# KiCad board hypjolin-rounded.kicad_pcb (continued)
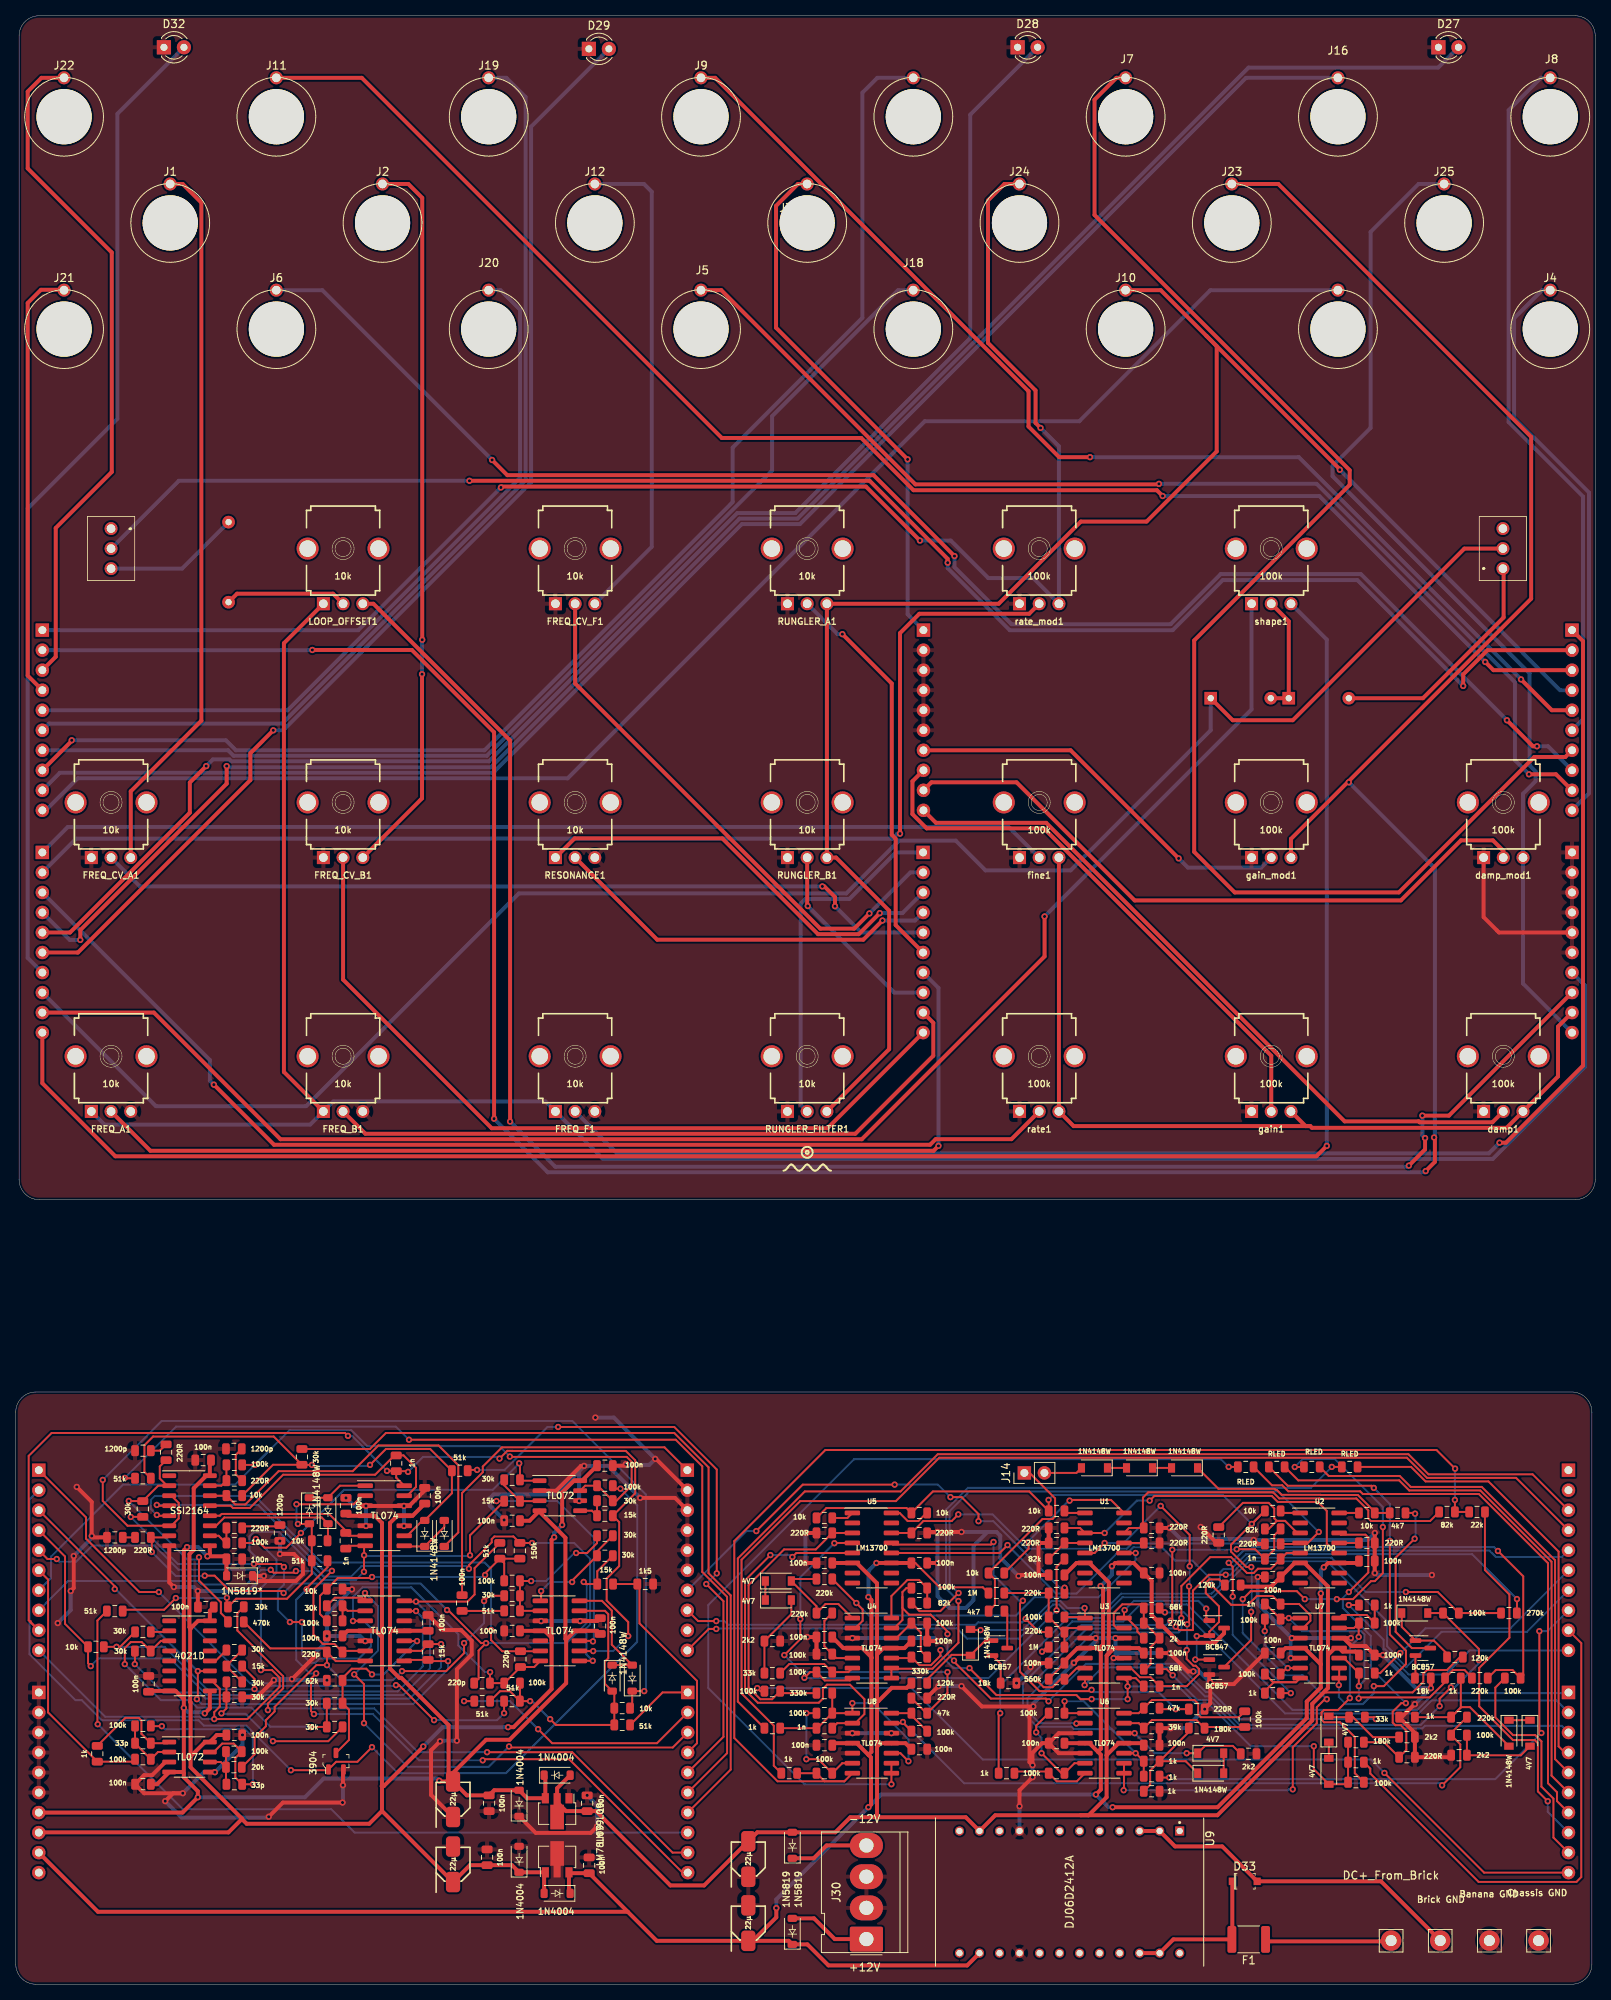
[diagram p0: board, top side]
## Routing (per net, layer and track width the routed paths; a pad name or vN(x,y) marks a point on that pad's centre or on a via; arc(x,y) is an arc through that point) (continued)
  Bottom w0.25: v1(151.73,50.63) 151.73,51.32 149.29,53.75 147.11,53.75 145.43,55.44 141.8,55.44 141.15,54.78 139.82,54.78 134.61,49.57 131.99,49.57 v1(125.85,55.71)
Net-(C38-Pad1): length 28.1
  Top w0.25: R146.2 101.7,32.49 C38.1 R145.1 ; R146.2 U8.1 v1(106.16,35.66) ; R146.2 R143.1 ; U8.10 112.26,29.31 v1(113.27,28.3)
  Bottom w0.25: v1(113.27,28.3) 113.27,31.1 108.71,35.66 v1(106.16,35.66)
Net-(C38-Pad2): length 54.1
  Top w0.25: U5.5 99.05,54.71 v1(98.54,54.2) ; v1(95.76,54.45) 92.54,51.23 92.54,37.33 94.16,35.71 101.89,35.71 102.42,36.24 102.42,37.48 102.94,38.01 105.85,38.01 107.69,36.17 107.69,34.27 106.54,33.12 U8.2 104.24,33.12 C38.2
  Bottom w0.25: v1(98.54,54.2) 98.3,54.45 v1(95.76,54.45)
Net-(D1-Pad1): length 7
  Top w0.25: D3.2 54.38,58.02 D1.1 49.38,55.54 IC2.8
Net-(D1-Pad2): length 67.9
  Top w0.25: v1(44.95,65.89) 46.96,67.9 52.59,67.9 R1.2 55.34,62.29 D1.2 51.61,58.84 49.67,56.9 IC2.9 ; R3.2 32.73,69.49 17.43,69.49 16.32,68.39 16.32,65 R4.2 ; R3.2 32.64,65.9 R7.1 ; R3.2 36.33,65.89 v1(37.58,65.89)
  Bottom w0.25: v1(37.58,65.89) 37.71,65.76 44.82,65.76 v1(44.95,65.89)
Net-(D2-Pad1): length 7.7
  Top w0.25: D2.1 D4.2 41.14,63.25 IC2.1
Net-(D2-Pad2): length 47.2
  Top w0.25: R6.2 13.71,47.35 13.87,47.51 18.82,47.51 v1(20.31,49) ; v1(35.62,60.9) 35.62,60.9 42.88,60.9 43.96,61.98 IC2.2 ; v1(26.79,49.04) 26.79,48.02 R5.2 27.96,48.91 34.41,48.91 37.56,52.06 R2.2 R8.1 37.56,58.12 D2.2 37.23,58.39 v1(35.8,58.39)
  Bottom w0.25: v1(20.31,49) 26.75,49 v1(26.79,49.04) ; v1(35.62,60.9) 35.62,58.58 v1(35.8,58.39)
Net-(D3-Pad1): length 47.2
  Top w0.25: IC3.14 26.72,61.98 R7.2 27.85,60.88 29.14,60.88 33.36,65.09 42.75,65.09 46.02,68.35 53.64,68.35 56.15,65.85 56.15,57.32 D3.1
Net-(D4-Pad1): length 17.9
  Top w0.25: R8.2 39.61,56.32 D4.1 38.82,59.22 26.46,59.22 25.42,58.17 IC3.11
Net-(D5-Pad1): length 15.2
  Top w0.25: IC6.14 74.38,48.64 75.63,47.4 75.63,43.08 78.22,40.49 75.68,40.49
Net-(D5-Pad2): length 38.9
  Top w0.25: R41.2 61.45,37.18 62.7,37.18 R43.2 ; v1(67.81,33.63) 68.54,32.9 R42.2 R46.1 75.95,36.92 D5.2 74.76,38.11 74.76,40.94 75.18,41.37 75.18,46.96 74.77,47.37 IC6.13 ; R45.1 63.98,35.93 R43.2 ; R43.2 v1(65.27,35.92)
  Bottom w0.25: v1(67.81,33.63) 65.52,35.92 v1(65.27,35.92)
Net-(D12-Pad2): length 10.5
  Top w0.5: J30.1 103.93,5.73 101.3,8.36 D12.2
Net-(D13-Pad1): length 10.1
  Top w0.5: D13.1 101.25,15.98 102.88,17.61 J30.4
Net-(D14-Pad1): length 10.8
  Top w0.25: 123.94,43.6 123.02,43.6 D14.1 121.09,41.79 118.76,41.79 115.65,38.69 R71.1
Net-(D14-Pad2): length 20.4
  Top w0.25: R68.1 135.55,46.58 U3.1 135.68,47.68 v1(135.63,47.73) ; v1(122.42,44.93) 121.24,44.93 D14.2
  Bottom w0.25: v1(135.63,47.73) 133.45,47.73 132.57,48.62 131.44,48.62 127.75,44.93 v1(122.42,44.93)
Net-(D15-Pad1): length 2.4
  Top w0.25: D17.1 D15.1
Net-(D15-Pad2): length 14.4
  Top w0.25: R67.1 98.67,51.41 D15.2 101.61,47.96 R83.1 102.75,48.23 104.38,48.23 U4.1
Net-(D16-Pad1): length 9.3
  Top w0.25: D16.1 175.87,45.34 177.61,43.6 179.95,43.6 181.62,41.93 R74.1
Net-(D16-Pad2): length 68.9
  Top w0.25: v1(185.66,41.12) 185.66,42.54 R72.1 D16.2 ; 135.68,38.84 135.68,38 v1(135.63,37.95) ; v1(180.67,35.29) 180.67,36.22 v1(182.11,37.66)
  Bottom w0.25: v1(135.63,37.95) 137.88,40.2 147.21,40.2 150.89,36.52 151.67,36.52 155.28,32.91 178.3,32.91 v1(180.67,35.29) ; v1(185.66,41.12) 185.66,40.74 182.58,37.66 v1(182.11,37.66)
Net-(D17-Pad2): length 10.7
  Top w0.25: D17.2 98.41,46.95 R78.1 R80.1
Net-(D18-Pad1): length 2.4
  Top w0.25: D18.1 D19.2
Net-(D18-Pad2): length 5
  Top w0.25: J14.2 134.59,64.87 D18.2
Net-(D19-Pad1): length 2.4
  Top w0.25: D19.1 D20.2
Net-(D20-Pad1): length 26.8
  Top w0.25: D20.1 152.62,62.85 159.75,62.85 159.87,62.72 160,62.72 160.64,62.09 165.59,62.09 165.61,62.07 170.3,62.07 172.44,59.93 R97.2 R81.1
Net-(D21-Pad1): length 2
  Top w0.25: D22.1 D21.1
Net-(D22-Pad2): length 10
  Top w0.25: R88.1 172.22,31.34 169.68,33.88 R93.2 166.74,33.88 D22.2
Net-(D23-Pad1): length 15.8
  Top w0.25: R90.2 148.85,32.01 R96.1 ; R90.2 148.45,28.3 D23.1 ; R90.2 143.95,27.11 143.95,25.3 R91.1
Net-(D23-Pad2): length 2.5
  Top w0.25: D23.2 D24.2
Net-(D24-Pad1): length 16.7
  Top w0.25: v1(141.98,31.85) U6.12 ; v1(148.58,29.31) D24.1 150.9,30.24 154.44,30.24 R101.1
  Bottom w0.25: v1(148.58,29.31) 144.52,29.31 v1(141.98,31.85)
Net-(D25-Pad1): length 2.7
  Top w0.25: D25.1 D26.1
Net-(D25-Pad2): length 20
  Top w0.25: R98.2 183.36,35.11 R115.1 ; D25.2 184.52,35.15 183.41,35.15 R115.1 ; R115.1 R99.1
Net-(D26-Pad2): length 11
  Top w0.25: R114.1 R110.2 184.15,29.04 190.98,29.04 D26.2
Net-(D30-Pad2): length 15.2
  Top w0.5: shape1.2 161.53,172.92 D31.1 D30.2
Net-(D31-Pad2): length 30.1
  Top w0.5: D31.2 178.55,163.16 188.8,173.4 188.8,179.51 SW2.1
Net-(D33-PadA): length 43.9
  Top w0.5: J29.1 173.24,13.06 D33.A 153.09,17.49 147.11,17.49 U9.2 142.61,19.44
Net-(D33-PadK): length 19.8
  Top w0.5: D33.K 154.37,5.74 F1.2 146.89,5.69 U9.23 142.61,3.95
Net-(F1-Pad1): length 15.8
  Top w0.5: F1.1 158.85,5.44 174.24,5.44
Net-(FREQ_CV_A1-Pad3): length 91.7
  Top w0.5: J1.1 21.18,228.4 23.55,226.03 23.55,160.3 14.59,151.34 FREQ_CV_A1.3
Net-(FREQ_CV_B1-Pad3): length 92.6
  Top w0.5: FREQ_CV_B1.3 51.55,150.45 v1(51.55,166.2) ; v1(51.58,170.57) 51.58,226.63 49.81,228.4 J2.1
  Bottom w0.5: v1(51.58,170.57) 51.55,170.55 v1(51.55,166.2)
Net-(FREQ_CV_F1-Pad3): length 62.9
  Bottom w0.5: FREQ_CV_F1.3 80.71,182.37 80.71,227.41 79.72,228.4 J12.1
Net-(IC1-Pad2): length 2.4
  Top w0.25: IC1.2 19.34,44.7 R23.2
Net-(IC1-Pad3): length 41
  Top w0.25: IC1.3 18.42,43.56 R19.2 15.98,43.41 14.59,43.41 13.83,42.65 v1(13.83,40.61) ; v1(37.45,32.61) 37.49,32.65 R25.2 R20.2
  Bottom w0.25: v1(37.45,32.61) 37.39,32.68 32.3,32.68 29.89,35.09 23.03,35.09 22.08,36.04 18.41,36.04 v1(13.83,40.61)
Net-(IC1-Pad12): length 2.7
  Top w0.25: IC1.12 25.36,41.02 R24.2
Net-(IC3-Pad2): length 32
  Top w0.25: R49.2 18.28,65.69 18.28,64.17 19.2,63.25 IC3.2 18.07,63.25 R47.2 14.36,61.3 v1(14.34,61.32) ; R50.1 26.93,46.19 26.02,47.09 26.02,48.45 23.25,51.23 v1(23.25,54.17)
  Bottom w0.25: v1(14.34,61.32) 21.77,53.89 22.98,53.89 v1(23.25,54.17)
Net-(IC3-Pad10): length 4.4
  Top w0.25: R10.2 R12.1 26.66,55.98 25.74,56.9 IC3.10
Net-(IC3-Pad15): length 4.4
  Top w0.25: R11.1 R9.2 26.09,63.25 IC3.15
Net-(IC4-Pad3): length 6
  Top w0.25: IC4.3 66.41,61.29 R14.2 61.98,63.29 R16.1
Net-(IC4-Pad5): length 4.3
  Top w0.25: IC4.5 73.12,60.07 R13.2 R15.1
Net-(IC5-Pad2): length 5
  Top w0.25: R44.2 R48.1 42.1,47.37 IC5.2
Net-(IC5-Pad9): length 51.9
  Top w0.25: v1(15.1,40.61) 15.12,40.63 R19.1 ; v1(53.97,43.15) 52.32,43.15 R22.2 51.46,42.29 IC5.9
  Bottom w0.25: v1(53.97,43.15) 53.97,40.23 49.97,36.24 24.07,36.24 23.31,37 18.72,37 v1(15.1,40.61)
Net-(IC5-Pad10): length 24.2
  Top w0.25: Q1.3 42.28,30.99 42.28,34.83 R20.1 R21.2 41.47,38.85 42.65,40.03 44.48,40.03 v1(45.2,39.31) ; IC5.10 49.32,43.54 v1(50.92,43.54)
  Bottom w0.25: v1(50.92,43.54) 46.69,39.31 v1(45.2,39.31)
Net-(IC5-Pad13): length 59.8
  Top w0.25: IC5.13 49.32,47.35 v1(50.79,47.35) ; v1(30.3,37.45) 30.3,38.74 28.68,40.36 ; R23.1 13.24,42.81 v1(12.78,42.81) R29.2
  Bottom w0.25: v1(12.78,42.81) 18.88,42.81 24.26,37.43 30.27,37.43 v1(30.3,37.45) 30.6,37.15 48.48,37.15 51.64,40.31 51.64,46.49 v1(50.79,47.35)
Net-(IC6-Pad1): length 13.7
  Top w0.25: IC6.1 66.66,48.74 v1(66.66,49.89) ; R33.2 73.76,54.9 R34.1 70.6,51.2 v1(70.6,51.03)
  Bottom w0.25: v1(66.66,49.89) 67.81,51.03 v1(70.6,51.03)
Net-(IC6-Pad2): length 19.1
  Top w0.25: R33.1 73.76,55.96 72.51,54.71 v1(71.11,54.71) ; v1(65.39,51.16) 64.01,51.16 R31.2 R30.2 IC6.2
  Bottom w0.25: v1(65.39,51.16) 67.3,51.16 70.86,54.71 v1(71.11,54.71)
Net-(J14-Pad1): length 24.4
  Top w0.25: R76.1 124.25,48.14 124.25,51.36 R75.2 130.28,59.02 131.55,59.02 131.88,59.35 131.88,61.64 128.65,64.87 J14.1
Net-(LOOP_OFFSET1-Pad2): length 15.5
  Top w0.5: LOOP_OFFSET1.2 40.26,176.42 28.08,176.42 R18.1
Net-(Q2-Pad2): length 3.9
  Top w0.25: Q2.2 124.97,40.66 R77.1
Net-(Q2-Pad3): length 4.8
  Top w0.25: R76.2 125.81,46.99 Q2.3
Net-(Q3-Pad1): length 17.8
  Top w0.25: Q3.1 151.06,46.53 v1(151.06,47.66) ; R73.1 142.32,44.73 142.32,45.14 141,46.46 U3.14 140.62,47.39 v1(140.71,47.47)
  Bottom w0.25: v1(140.71,47.47) 141.88,48.65 150.07,48.65 v1(151.06,47.66)
Net-(Q3-Pad2): length 17.2
  Top w0.25: R79.1 152.71,51.36 151.43,51.36 151.01,50.93 151.01,49.62 152.68,47.95 152.68,45.96 151.45,44.73 Q3.2 151.38,44.17 v1(149.85,44.17) ; v1(149.67,41.19) 149.68,41.18 Q5.1
  Bottom w0.25: v1(149.67,41.19) 149.85,41.37 v1(149.85,44.17)
Net-(Q4-Pad2): length 2.9
  Top w0.25: Q4.2 177.61,38.9 R82.1
Net-(Q4-Pad3): length 22.6
  Top w0.25: v1(177.51,56.53) 175.09,54.11 175.09,44.71 177.16,42.65 Q4.3 ; R81.2 177.47,59.79 v1(177.56,59.7)
  Bottom w0.25: v1(177.51,56.53) 177.64,56.65 177.64,59.63 v1(177.56,59.7)
Net-(Q5-Pad3): length 88.2
  Top w0.25: R139.1 102.87,60.42 113.03,60.42 R131.1 116.38,62.52 128.59,62.52 R95.1 131.07,61.43 v1(131.05,61.44) ; v1(156.83,58.39) 156.85,58.39 R118.1 158.49,60.05 154.21,55.77 154.21,54.89 156.16,52.93 v1(156.78,52.93) ; v1(156.76,47.26) 156.76,43.67 Q5.3
  Bottom w0.25: v1(131.05,61.44) 131.69,62.08 153.15,62.08 v1(156.83,58.39) ; v1(156.78,52.93) 156.83,52.88 156.83,47.33 v1(156.76,47.26)
Net-(R18-Pad2): length 17.4
  Bottom w0.5: SW1.3 21.1,179.6 R18.2
Net-(R24-Pad1): length 5.8
  Top w0.25: R27.2 26.72,40.36 26.68,40.36 26.7,40.36 R24.1
Net-(R25-Pad1): length 21.8
  Top w0.25: v1(32.63,30.84) 39.66,30.84 R25.1 ; v1(26.1,34.37) 26.73,35 R28.2 R27.1
  Bottom w0.25: v1(32.63,30.84) 29.16,34.3 26.16,34.3 v1(26.1,34.37)
Net-(R31-Pad1): length 34
  Top w0.25: v1(59.55,51.92) 59.55,52.13 R35.2 ; R44.1 38.6,46.97 38.6,49.27 R38.2 40.87,51.54 45.08,51.54 v1(45.2,51.66) ; R31.1 61.98,53.43 R35.2 ; R35.2 R36.2
  Bottom w0.25: v1(45.2,51.66) 59.3,51.66 v1(59.55,51.92)
Net-(R51-Pad2): length 47.1
  Top w0.25: R51.2 179.46,58.77 171.96,58.77 171.63,59.1 171.63,60.11 170.12,61.62 165.42,61.62 165.4,61.64 160.32,61.64 159.56,62.4 143.69,62.4 143.03,61.74 143.03,57.99 R52.2 141.26,57.89 U1.14
Net-(R53-Pad2): length 2.5
  Top w0.25: R53.2 U1.13
Net-(R54-Pad1): length 16.2
  Top w0.25: R55.1 132.98,44.68 R68.2 R54.1 R61.2 ; R55.1 133.58,45.19 U3.2 ; R55.1 R57.1
Net-(R56-Pad1): length 79.2
  Top w0.25: v1(147.18,45.37) 147.62,44.93 149.34,44.93 149.37,44.97 149.37,49.94 151.38,51.95 v1(153.53,51.95) ; v1(176.39,49.76) 180.44,49.76 R72.2 R59.1 ; U3.6 134.63,40.11 133.23,38.71 R69.2 132.57,38.71 131.55,37.68 130.43,37.68 v1(129.46,38.65)
  Bottom w0.25: v1(147.18,45.37) 146.95,45.13 135.94,45.13 v1(129.46,38.65) ; v1(153.53,51.95) 154.13,51.95 156.29,54.11 166.96,54.11 171.31,49.76 v1(176.39,49.76)
Net-(R58-Pad1): length 17.1
  Top w0.25: R60.1 143.37,39.98 144.01,40.61 144.01,42.79 R73.2 143.23,45.82 R70.2 R58.1 142.66,48.2 140.41,48.2 139.32,47.12 139.32,45.55 139.69,45.19 U3.13
Net-(R67-Pad2): length 50
  Top w0.25: U4.2 106.54,45.19 107.46,46.11 107.46,47.55 R67.2 ; v1(142.1,54.71) U1.12
  Bottom w0.25: v1(142.1,54.71) 142.1,53.81 137.39,49.09 129.24,49.09 126.92,46.77 108.26,46.77 v1(106.67,48.36)
Net-(R75-Pad1): length 20.3
  Top w0.25: v1(133.72,61.35) 133.81,61.44 138.97,61.44 U1.16 ; v1(128.51,56.11) 128.51,55.25 R75.1
  Bottom w0.25: v1(128.51,56.11) 128.51,56.24 133.63,61.35 v1(133.72,61.35)
Net-(R80-Pad2): length 10.3
  Top w0.25: R80.2 98.15,40.62 102.58,40.62 R85.1 105.65,39.6 U4.6
Net-(R83-Pad2): length 8.8
  Top w0.25: R83.2 102.61,46.09 102.61,42.88 R84.2 104.11,41.38 106.16,41.38
Net-(R85-Pad2): length 49.4
  Top w0.25: 106.16,38.84 105.87,38.54 102.66,38.54 R85.2 100.8,39.6 v1(100.07,38.87) ; R86.1 132.07,52.95 v1(132.07,47.44)
  Bottom w0.25: v1(132.07,47.44) 132.04,47.44 123.43,38.84 100.11,38.84 v1(100.07,38.87)
Net-(R86-Pad2): length 5.5
  Top w0.25: R86.2 133.07,55.95 R87.2 U1.4
Net-(R89-Pad2): length 42.5
  Top w0.25: U2.12 167.55,54.71 166.36,55.91 166.36,60.05 165.22,61.19 160.14,61.19 159.38,61.95 144.48,61.95 v1(143.88,61.35) ; R89.2 135.04,57.89 U1.3 v1(138.17,57.25)
  Bottom w0.25: v1(138.17,57.25) 142.27,61.35 v1(143.88,61.35)
Net-(R92-Pad1): length 8.5
  Top w0.25: U4.12 111.75,43.92 R94.1 114.84,44.63 114.84,42.32 R92.1
Net-(R95-Pad2): length 2.7
  Top w0.25: R95.2 133.32,59.79 U1.1
Net-(R97-Pad1): length 2.5
  Top w0.25: R97.1 U2.16
Net-(R100-Pad1): length 10.5
  Top w0.25: R103.2 R100.1 114.63,51.29 113.15,51.29 111.11,49.26 U4.14
Net-(R100-Pad2): length 81.2
  Top w0.25: v1(172.58,33.64) 172.34,33.88 R93.1 ; v1(131.05,35.9) 130.72,36.24 123.75,36.24 119.06,40.93 v1(119.06,41.06) ; 112.51,49.12 112.51,49.76 113.02,50.27 R100.2 ; 112.51,49.12 112.51,47.73 113.35,46.89 116.09,46.89 118.23,44.75 v1(118.23,44.42) ; 112.51,49.12 112.51,46.21 111.49,45.19 U4.13
  Bottom w0.25: v1(118.23,44.42) 118.23,41.89 v1(119.06,41.06) ; v1(131.05,35.9) 135.8,40.65 147.44,40.65 151.02,37.07 151.75,37.07 155.19,33.64 v1(172.58,33.64)
Net-(R102-Pad2): length 2.5
  Top w0.25: U2.13 R102.2
Net-(R103-Pad1): length 73.9
  Top w0.25: v1(119.63,49.63) 119.62,49.63 117.32,47.34 114.68,47.34 R103.1 ; v1(165.34,57.38) 163.82,55.85 162.85,55.85 ; R108.1 162.85,55.85 ; 162.85,55.85 U2.4
  Bottom w0.25: v1(119.63,49.63) 118.5,50.76 118.5,60.03 121,62.53 160.19,62.53 v1(165.34,57.38)
Net-(R104-Pad1): length 44.3
  Top w0.25: R104.1 173.63,30.71 R105.2 176.45,29.72 176.45,32.15 175.75,32.86 175.06,32.86 174.72,33.19 174.72,34.58 175.81,35.66 v1(176.39,35.66) ; U2.14 168.15,57.04 171.27,57.04 171.63,56.67 171.63,52.23 v1(169.15,49.76)
  Bottom w0.25: v1(169.15,49.76) 168.39,49 168.39,47.74 171.95,44.19 171.95,40.11 v1(176.39,35.66)
Net-(R106-Pad1): length 16.5
  Top w0.25: U6.13 142.5,33.12 R106.1 144.16,33.51 149.82,33.51 R96.2 150.99,32.63 R113.1
Net-(R107-Pad1): length 29.4
  Top w0.25: v1(170.41,44.07) 170.41,45.79 R116.2 169.81,45.19 U7.13 ; R107.1 169.92,26.77 169.92,31.36 168.04,33.23 166.01,33.23 165.69,33.56 165.69,34.48 165.99,34.78 167.77,34.78 v1(169.28,36.3)
  Bottom w0.25: v1(169.28,36.3) 169.28,42.77 170.41,43.89 v1(170.41,44.07)
Net-(R111-Pad1): length 15.9
  Top w0.25: R112.1 158.99,57.76 160.02,58.78 ; 160.02,58.78 159.69,59.11 159.69,60.36 158.98,61.07 155.72,61.07 R111.1 ; 160.02,58.78 161.07,58.78 162.6,57.25 U2.3
Net-(R113-Pad2): length 18
  Top w0.25: R113.2 155.19,33.87 150.37,33.87 150.04,34.21 150.04,35.59 149.58,36.05 144.16,36.05 R119.1 142.5,34.39 U6.14
Net-(R114-Pad2): length 87.1
  Top w0.25: R122.1 112.64,33.12 U8.13 112.42,33.12 v1(112.57,33.27) ; v1(180.99,25.23) 183.3,27.54 183.3,30.44 R114.2 182.14,31.88 R115.2
  Bottom w0.25: v1(180.99,25.23) 180.72,25.5 120.35,25.5 v1(112.57,33.27)
Net-(R116-Pad1): length 7.4
  Top w0.25: R120.2 R116.1 171.42,46.85 168.32,46.85 U7.14
Net-(R117-Pad2): length 81.2
  Top w0.25: 111.11,38.84 U4.9 111.19,40.03 116.32,40.03 119.62,43.33 v1(119.62,48.62) ; R117.2 v1(167,65.63)
  Bottom w0.25: v1(167,65.63) 164.34,62.98 120.82,62.98 118.05,60.21 118.05,50.19 v1(119.62,48.62)
Net-(R118-Pad2): length 2.6
  Top w0.25: R118.2 160.76,59.79 U2.1
Net-(R119-Pad2): length 57.2
  Top w0.25: U5.13 111.32,55.78 123.74,55.78 v1(124.07,56.11) ; R121.2 v1(147.18,34.9) 145.26,34.9 R119.2 ; v1(136.51,37.35) 136.34,37.19 129.9,37.19 127.43,39.66 127.43,48.3 v1(127.79,48.66)
  Bottom w0.25: v1(127.79,48.66) 127.32,48.66 124.07,51.92 v1(124.07,56.11) ; v1(136.51,37.35) 136.8,37.06 145.02,37.06 v1(147.18,34.9)
Net-(R122-Pad2): length 5.7
  Top w0.25: U8.14 R125.1 113.65,34.11 R122.2
Net-(R123-Pad2): length 103
  Top w0.25: v1(188.08,54.97) 191.29,51.76 191.29,39.17 R128.2 189.93,39.86 187.8,39.86 R124.2 ; v1(119.6,59.61) 118.76,58.77 115.17,58.77 R123.2 U5.14
  Bottom w0.25: v1(119.6,59.61) 123.95,59.61 128.3,55.26 140.99,55.26 141.65,55.92 156.4,55.92 156.86,55.46 187.59,55.46 v1(188.08,54.97)
Net-(R125-Pad2): length 49.8
  Top w0.25: U5.4 103.91,55.98 v1(103.88,55.95) ; v1(118.23,39.6) 118.23,36.96 R125.2 115.56,34.39 R126.2 ; v1(97.53,41.76) 99.56,43.79 v1(99.56,46.33)
  Bottom w0.25: v1(97.53,41.76) 99.68,39.6 v1(118.23,39.6) ; v1(99.56,46.33) 99.56,51.63 v1(103.88,55.95)
Net-(R127-Pad2): length 38.7
  Top w0.25: U5.3 R135.2 101.52,55.16 97.49,55.16 92.99,50.66 92.99,37.66 94.49,36.16 95.98,36.16 R127.2 97.26,36.93 R143.2
Net-(R130-Pad1): length 13.1
  Top w0.25: U6.6 134.34,28.04 R134.2 132.7,26.77 v1(130.17,29.31) ; v1(129.48,31.96) 129.48,32.8 R130.1
  Bottom w0.25: v1(129.48,31.96) 130.17,31.27 v1(130.17,29.31)
Net-(R131-Pad2): length 5.4
  Top w0.25: R131.2 115.56,59.79 114.53,58.77 113.18,58.77 112.15,59.79 U5.16
Net-(R133-Pad2): length 100.4
  Top w0.25: v1(162.04,24.73) 162.04,30.06 165.09,33.11 165.09,35.14 166.11,36.16 v1(166.36,36.16) ; v1(155.69,48.86) 156.71,49.87 162.55,49.87 v1(163.57,48.86) ; v1(140.58,24.61) 140.62,24.66 U6.8 U6.9 ; v1(162.3,65.62) 163.44,65.62 R133.2 ; v1(173.47,58) 173.47,52.16 172.46,51.14 171.97,51.14 169.68,48.86 v1(167.63,48.86)
  Bottom w0.25: v1(173.47,58) 173.47,60.54 167.38,66.64 163.31,66.64 v1(162.3,65.62) ; v1(155.69,48.86) 155.69,44.54 161.03,39.2 163.31,39.2 v1(166.36,36.16) ; v1(140.58,24.61) 161.42,24.61 161.53,24.73 v1(162.04,24.73) ; v1(163.57,48.86) v1(167.63,48.86)
Net-(R134-Pad1): length 10
  Top w0.25: R136.2 126.94,26.99 130.85,26.99 R134.1 132.09,25.75 134.65,25.75 U6.7
Net-(R138-Pad1): length 10.2
  Top w0.25: v1(158.49,44.81) 158.5,44.82 R138.1 ; U7.6 v1(161.41,40.11) 161.26,40.11 R141.2
  Bottom w0.25: v1(158.49,44.81) 158.49,43.03 v1(161.41,40.11)
Net-(R139-Pad2): length 2.8
  Top w0.25: U5.1 105.53,59.16 R139.2
Net-(R141-Pad1): length 9.8
  Top w0.25: 162.46,38.32 159.63,38.32 158.5,37.19 R144.2 ; 162.46,38.32 162.98,38.84 ; 162.46,38.32 159.53,38.32 R141.1
Net-(R142-Pad2): length 53.7
  Top w0.25: v1(172.33,37.82) 173.6,37.82 176.4,40.63 176.4,42.32 174.36,44.37 v1(174.36,56.24) ; U7.9 167.93,38.84 167.88,38.79 v1(167.88,37.95) ; v1(172.33,62.97) 172.05,63.24 161.4,63.24 R142.2
  Bottom w0.25: v1(174.36,56.24) 174.36,60.93 v1(172.33,62.97) ; v1(167.88,37.95) 167.88,36.42 168.77,35.53 170.93,35.53 172.33,36.93 v1(172.33,37.82)
Net-(R146-Pad1): length 14.2
  Top w0.25: v1(100.32,34.39) R146.1 ; U8.6 104.88,28.04 R149.2 101.83,28.55 v1(100.32,28.55)
  Bottom w0.25: v1(100.32,28.55) v1(100.32,34.39)
Net-(R147-Pad2): length 116.8
  Top w0.25: U8.9 U8.8 111.11,25.38 v1(111.11,25.38) ; v1(153.91,65.63) R147.2
  Bottom w0.25: v1(153.91,65.63) 152.94,66.61 106.38,66.61 87.87,48.11 87.87,37.57 100.07,25.38 v1(111.11,25.38)

## Copper pours and planes (outline as drawn; the poured copper is in the pictures)
GND on Top, Bottom: 205.73,-3.32 -7,-3.32 -6.36,79.25 207,79.25
P / GND on Top, Bottom: 204.97,87.21 -7.76,87.21 -7.12,253.07 206.24,253.07
